# Altium PCB Face_InMain1V0.PcbDoc (part 1 of 2)
Units mm, origin at the board's own origin, x right, y up, seen from the top; angles counter-clockwise.
Board outline 95 x 77.8 mm, 2 copper layers (Top Layer, Bottom Layer), stack 0.8 mm thick; 173 components, 129 nets, 571 pads, 520 vias.
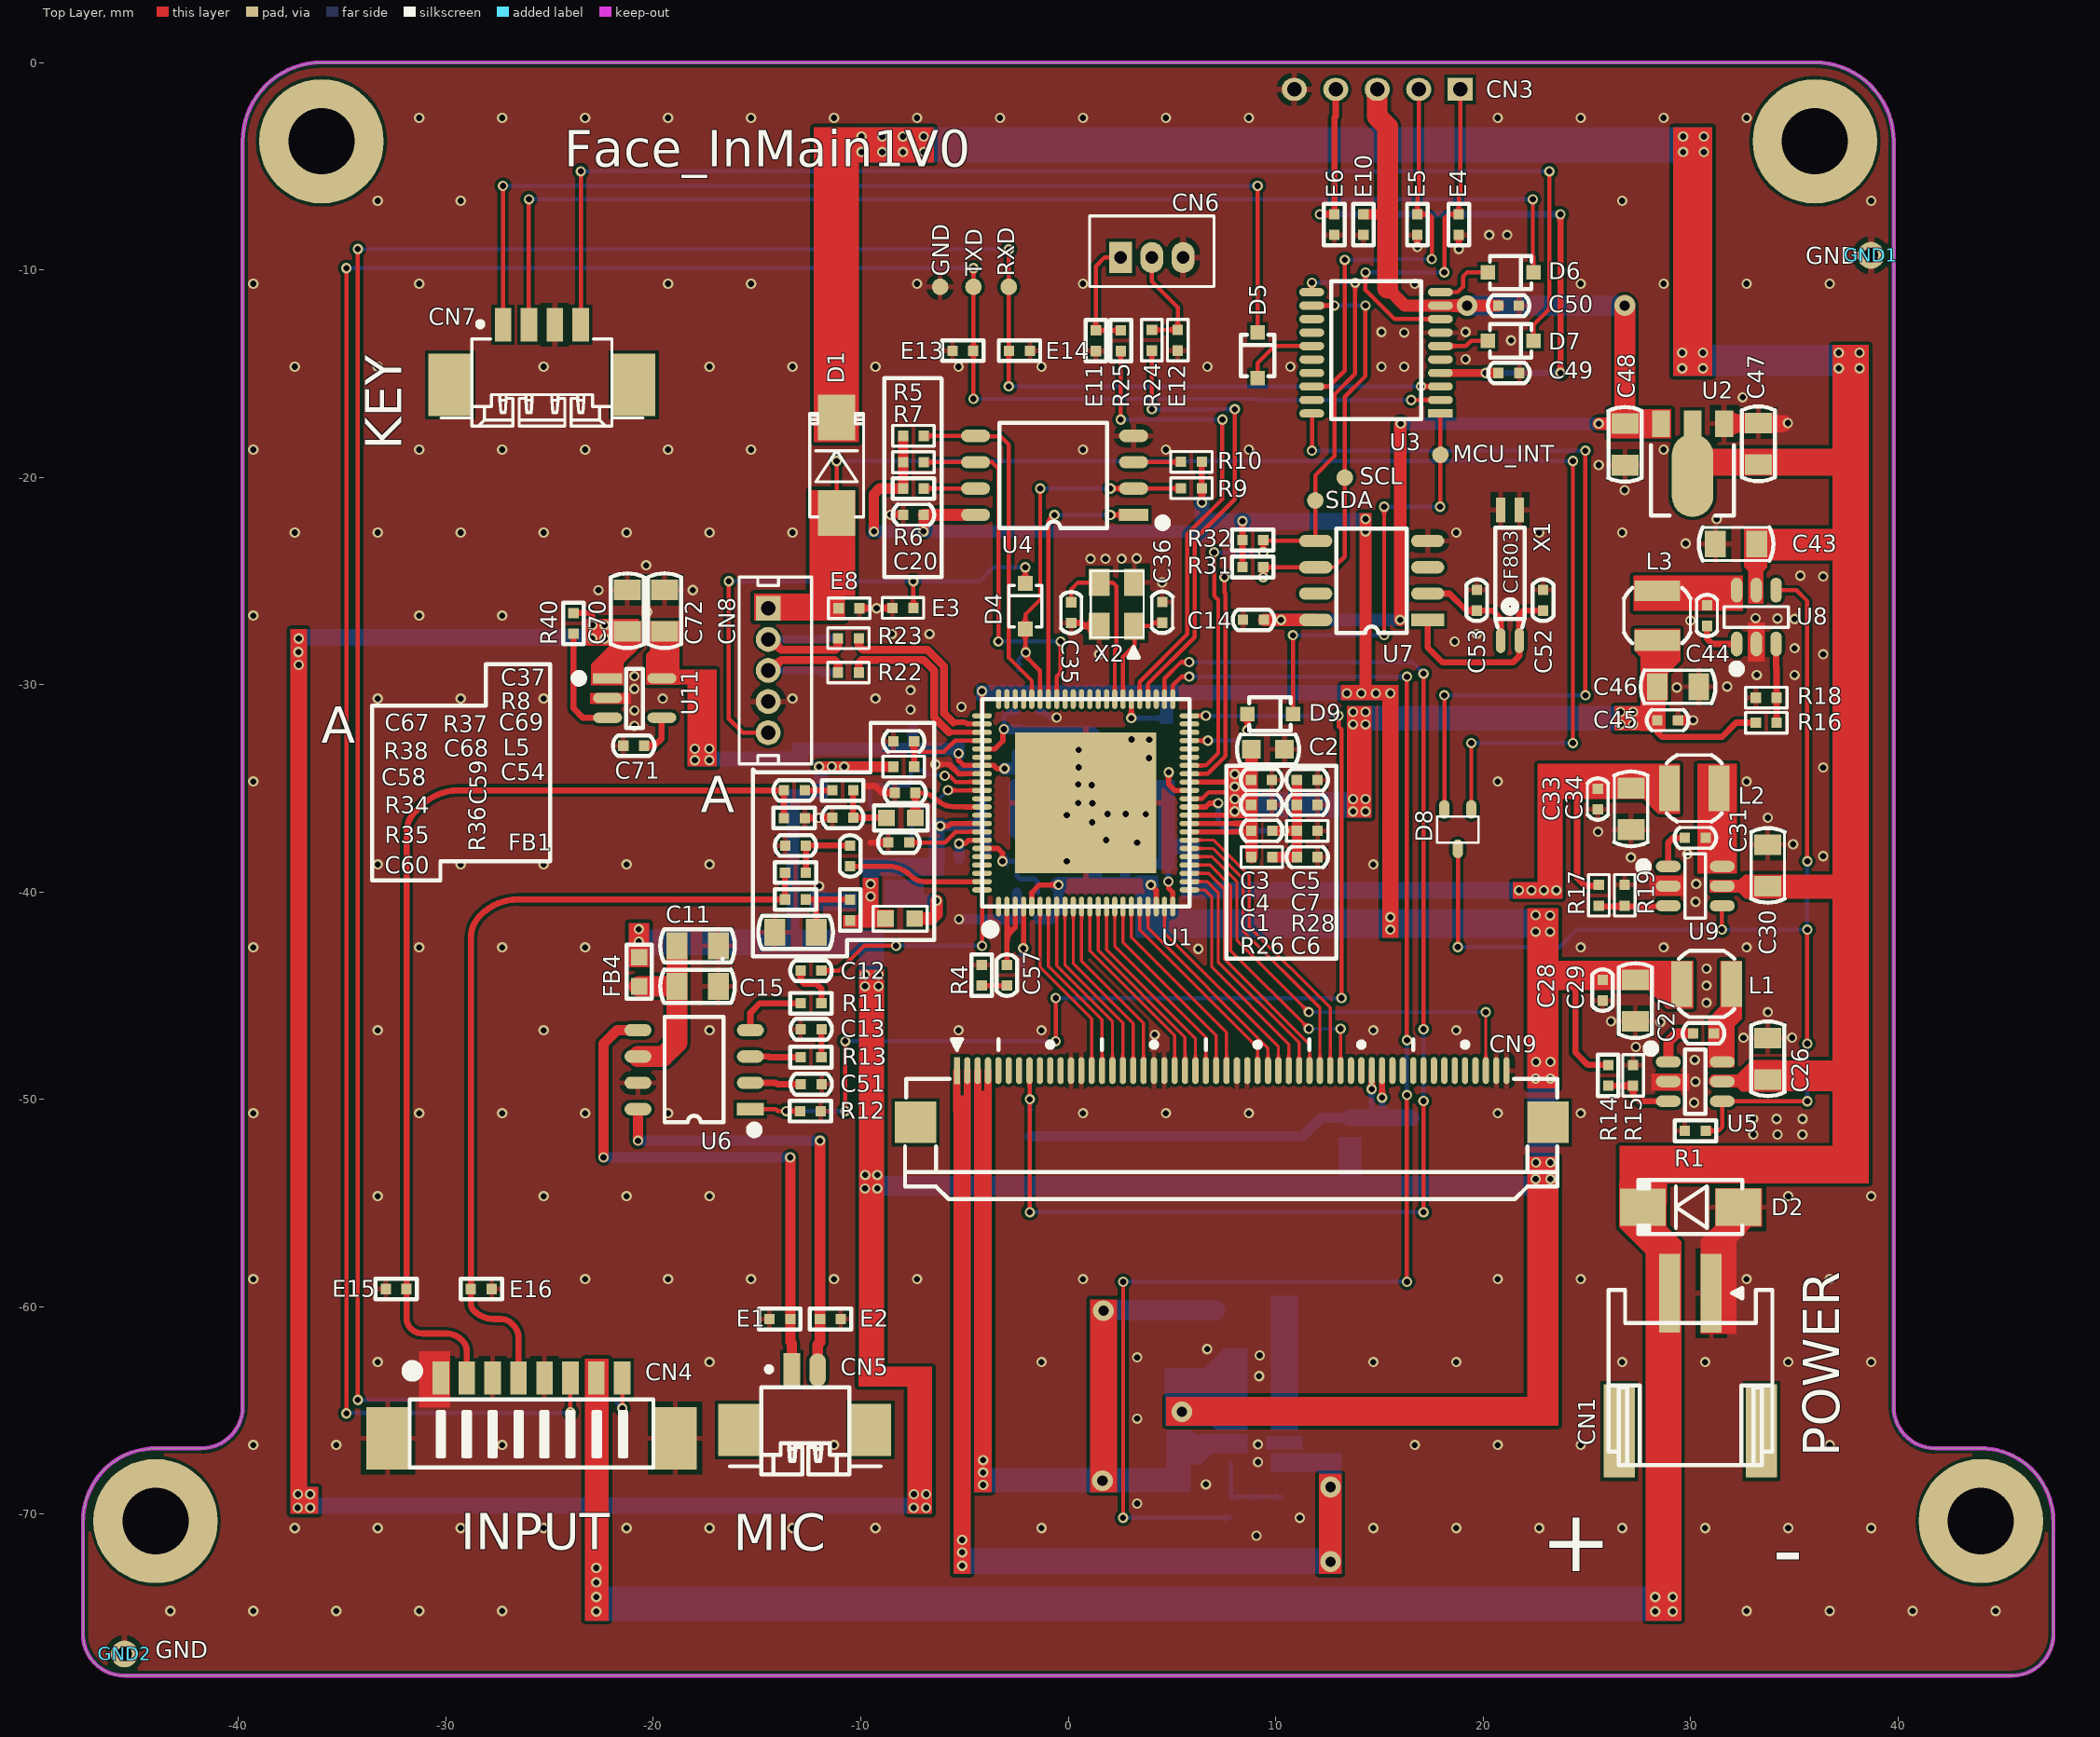
[diagram p0: Top Layer view]
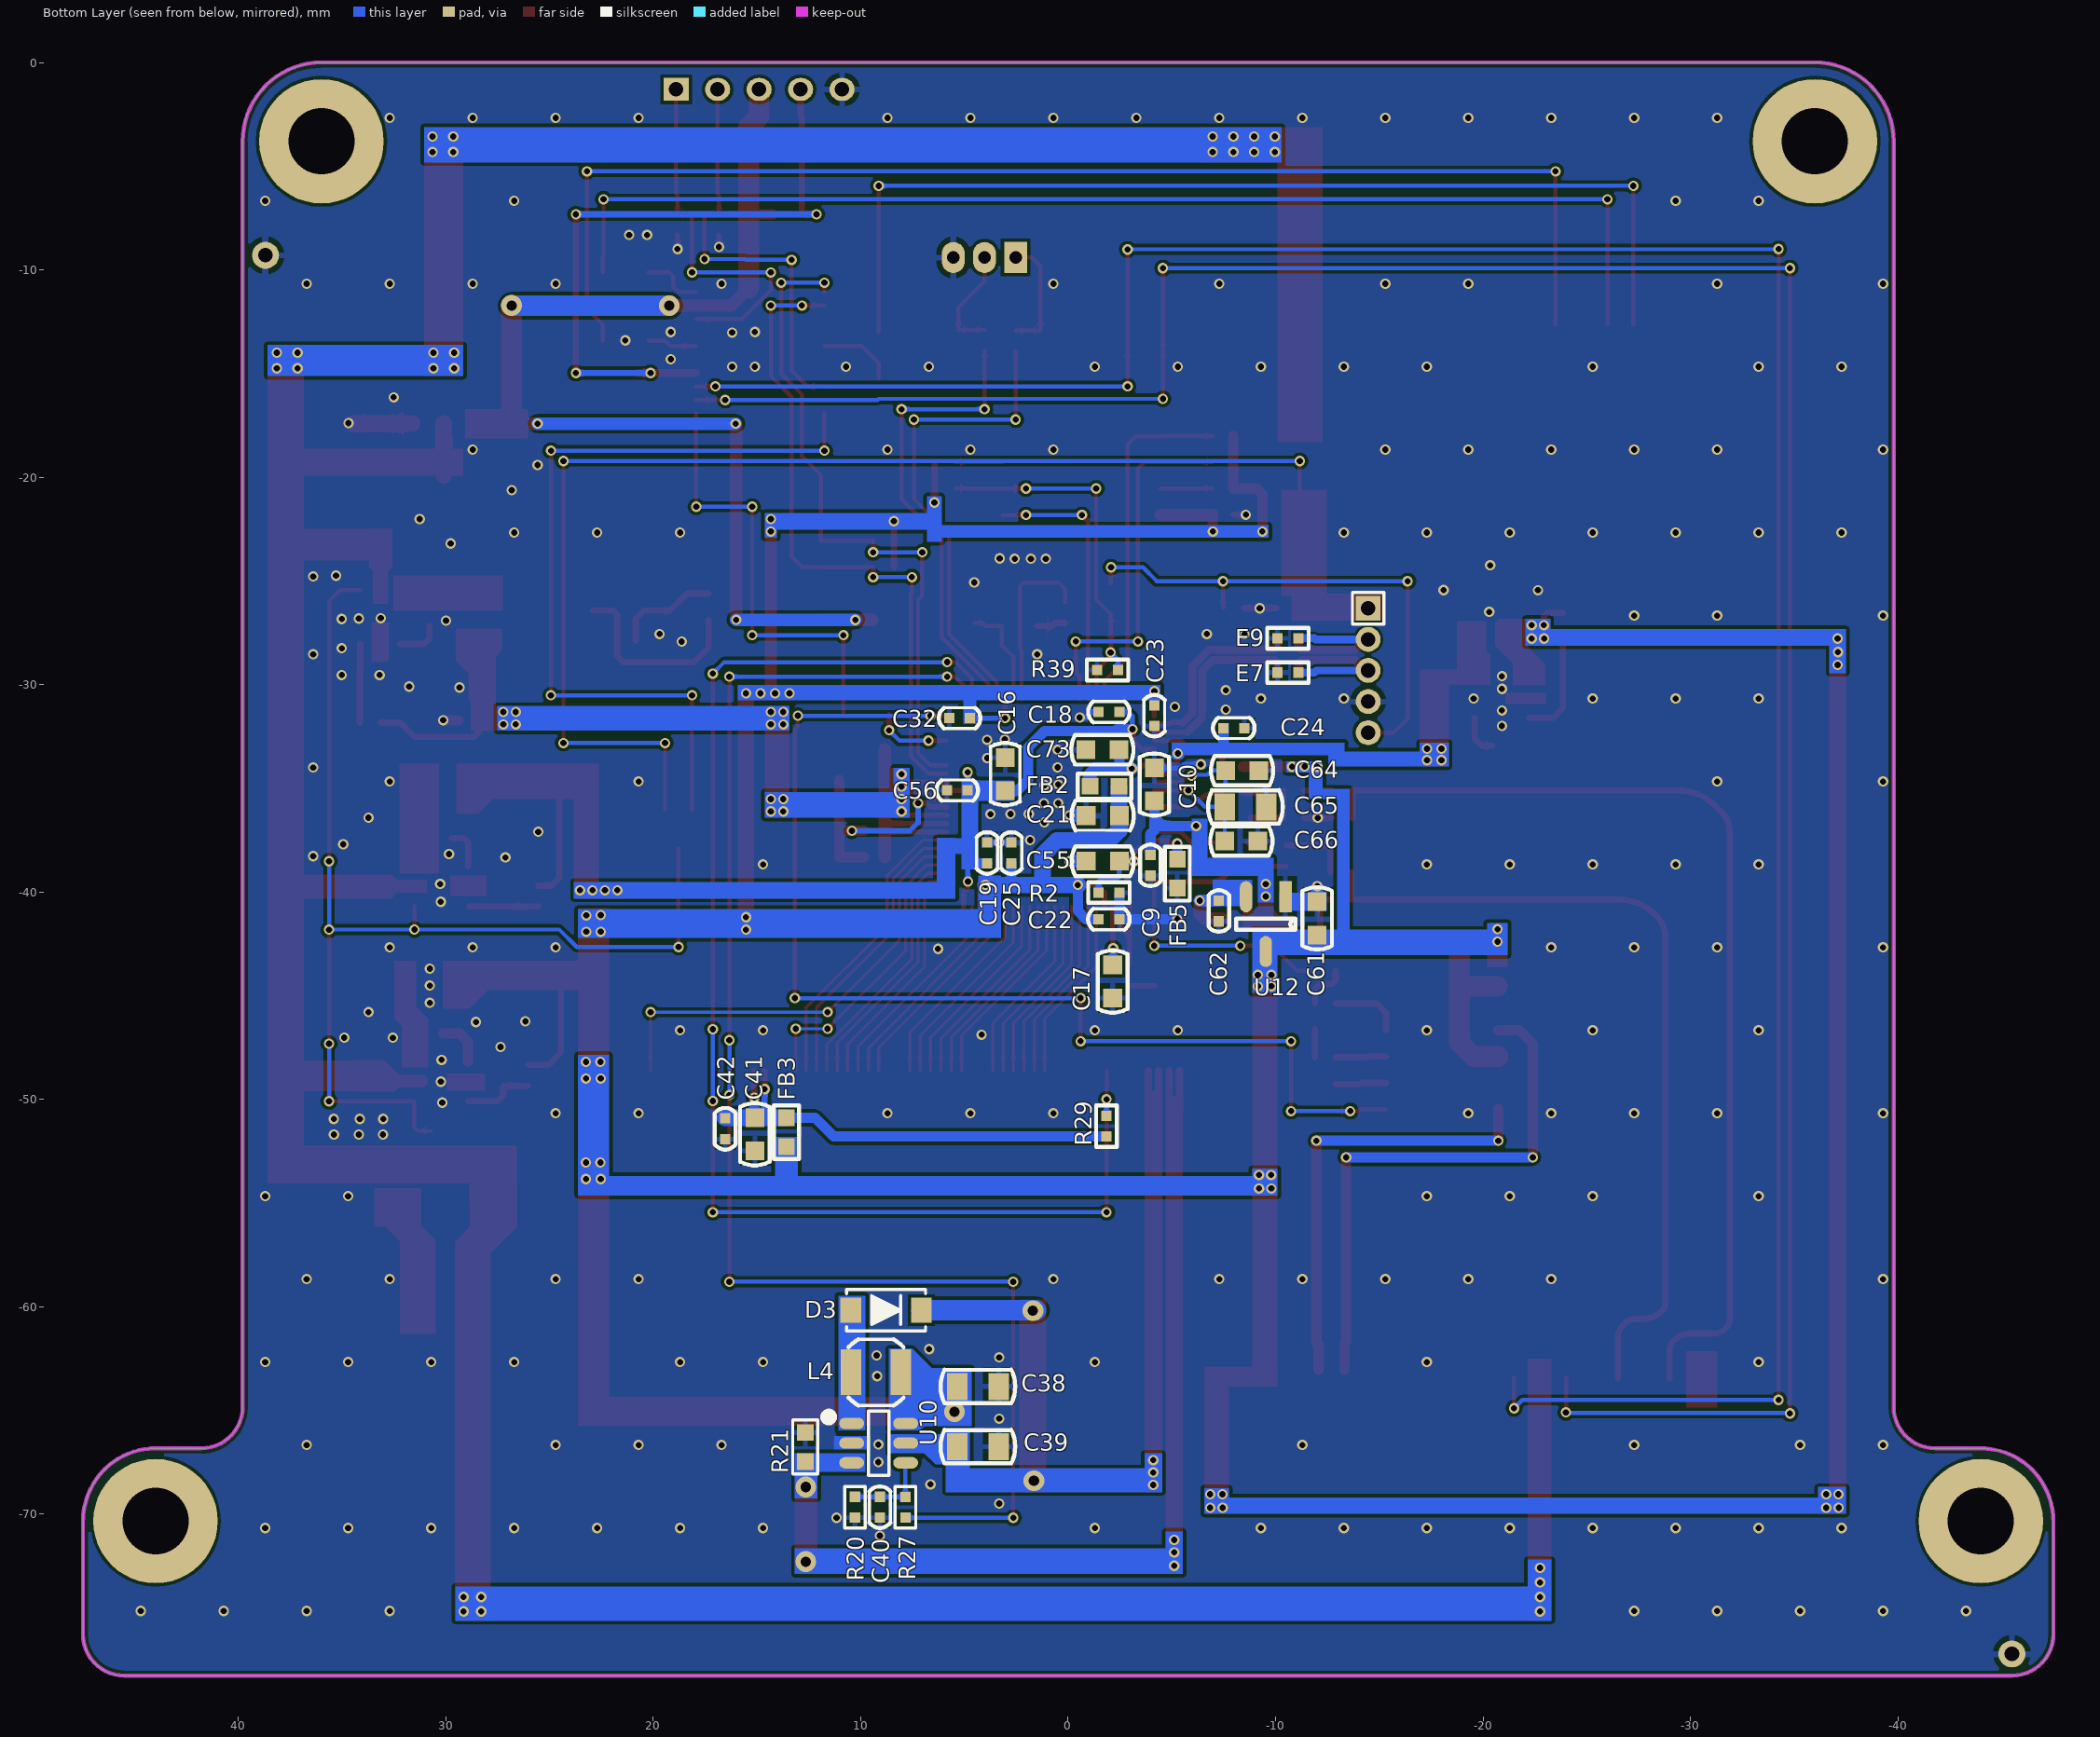
[diagram p1: Bottom Layer view, seen from below]
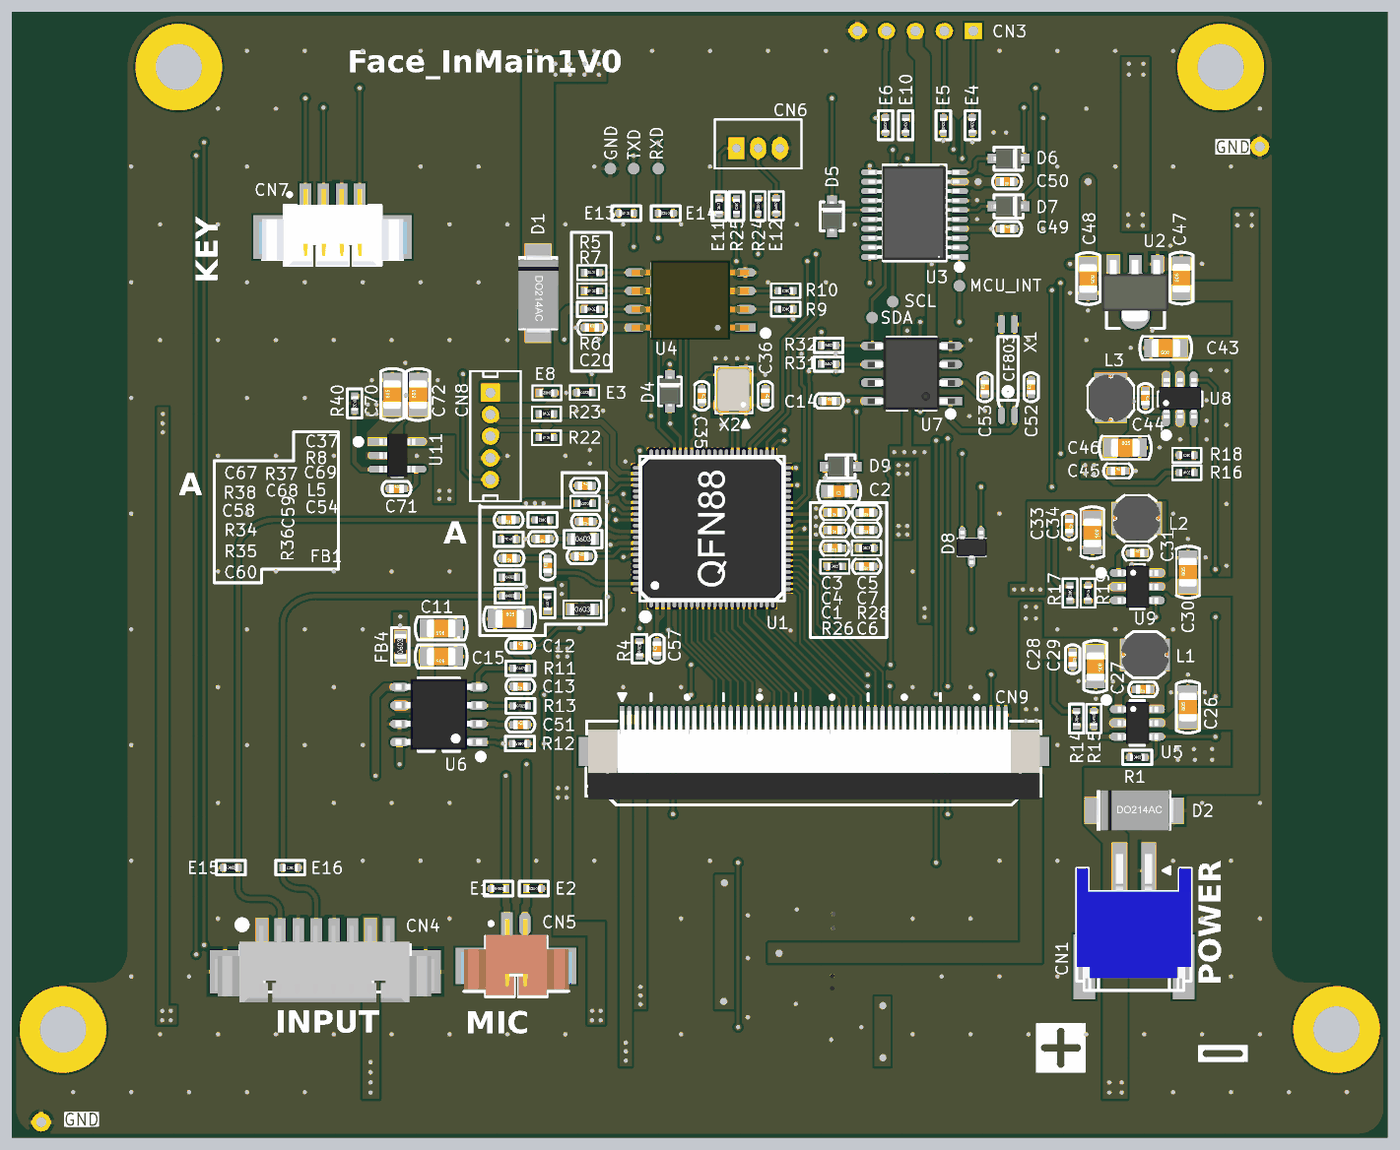
[diagram p3: 3D render of the assembled board from above, using the file's embedded part models]
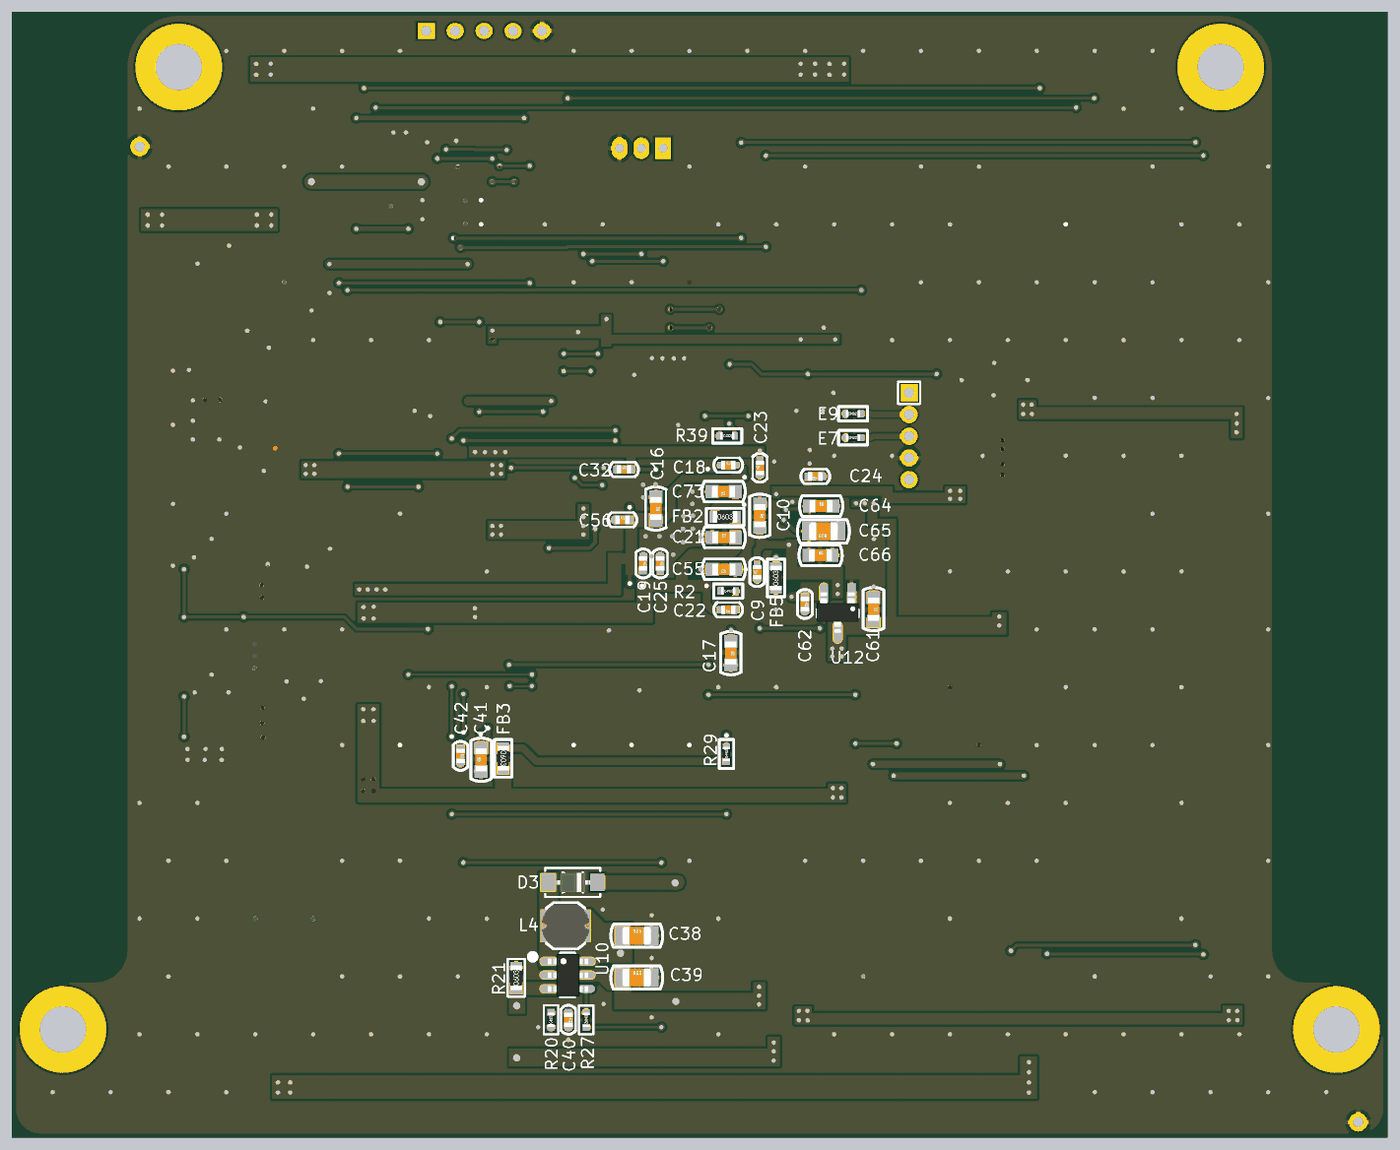
[diagram p4: 3D render of the assembled board from below, using the file's embedded part models]

## Layer stack, top to bottom
Top Solder: solder mask 0.1, Solder Resist, Dk 3.5
Top Layer: signal copper 0.2
Dielectric 1: dielectric 0.4, FR-4, Dk 4.8
Bottom Layer: signal copper 0.2
Bottom Solder: solder mask 0.1, Solder Resist, Dk 3.5

## Board outline
-47.501,-75.8 ccw(c-45.501,-75.8) -45.501,-77.8 45.499,-77.8 ccw(c45.499,-75.8) 47.499,-75.8 47.499,-70.346 ccw(c44.17,-70.346) 47.497,-70.247 ccw(c44.135,-70.347) 47.493,-70.148 ccw(c44.099,-70.349) 47.485,-70.044 ccw(c44.063,-70.353) 47.473,-69.935 ccw(c44.028,-70.357) 47.457,-69.821 ccw(c43.992,-70.362) 47.436,-69.696 ccw(c43.956,-70.369) 47.404,-69.551 ccw(c43.92,-70.378) 47.358,-69.375 ccw(c43.883,-70.389) 47.255,-69.073 ccw(c43.872,-70.393) 46.977,-68.51 ccw(c43.916,-70.367) 46.879,-68.357 ccw(c43.946,-70.347) 46.793,-68.235 ccw(c43.975,-70.325) 46.715,-68.135 ccw(c44.003,-70.303) 46.642,-68.046 ccw(c44.03,-70.28) 46.569,-67.963 ccw(c44.057,-70.256) 46.497,-67.887 ccw(c44.063,-70.25) 46.314,-67.712 ccw(c44.034,-70.282) 46.154,-67.579 ccw(c44.011,-70.312) 45.838,-67.358 ccw(c44.006,-70.319) 45.064,-67.002 ccw(c43.989,-70.368) 44.316,-66.849 ccw(c43.996,-70.304) 44.179,-66.839 ccw(c43.998,-70.268) 44.064,-66.835 ccw(c43.999,-70.239) 43.999,-66.835 41.799,-66.835 cw(c41.799,-64.835) 39.799,-64.835 39.799,-3.8 ccw(c35.999,-3.8) 35.999,0 -36.001,0 ccw(c-36.001,-3.8) -39.801,-3.8 -39.801,-64.835 cw(c-41.801,-64.835) -41.801,-66.835 -44.001,-66.835 ccw(c-44.001,-70.246) -44.111,-66.836 ccw(c-44,-70.283) -44.231,-66.842 ccw(c-43.998,-70.318) -44.384,-66.856 ccw(c-43.993,-70.356) -44.64,-66.894 ccw(c-43.991,-70.369) -45.192,-67.044 ccw(c-44.008,-70.321) -45.336,-67.1 ccw(c-44.009,-70.318) -46.259,-67.662 ccw(c-44.05,-70.266) -46.394,-67.783 ccw(c-44.068,-70.247) -46.597,-67.992 ccw(c-44.023,-70.288) -46.669,-68.075 ccw(c-43.996,-70.311) -46.745,-68.17 ccw(c-43.968,-70.333) -46.825,-68.275 ccw(c-43.938,-70.354) -46.915,-68.407 ccw(c-43.907,-70.375) -47.025,-68.586 ccw(c-43.876,-70.392) -47.393,-69.492 ccw(c-43.945,-70.372) -47.427,-69.642 ccw(c-43.981,-70.365) -47.452,-69.772 ccw(c-44.016,-70.359) -47.47,-69.891 ccw(c-44.052,-70.354) -47.483,-70.001 ccw(c-44.087,-70.351) -47.493,-70.105 ccw(c-44.122,-70.348) -47.498,-70.203 ccw(c-44.156,-70.346) -47.501,-70.297 -47.501,-70.346

## Design rules (kind name [scope] priority, off if disabled: settings)
Clearance "Differential Pairs" [InDifferentialPair('U') or InDifferentialPair('USB')] p1: gap=0.1 ignorepadtopadclearanceinfootprint=TRUE
Clearance [All] p2: gap=0.15 ignorepadtopadclearanceinfootprint=TRUE
DiffPairsRouting Diff_90ohm [All] p1: maxlimit=0.254 minlimit=0.1 mostfreqgap=0.1 toplayer_minwidth=0.25 toplayer_maxwidth=0.38 toplayer_prefwidth=0.38 bottomlayer_minwidth=0.25 bottomlayer_maxwidth=0.38 bottomlayer_prefwidth=0.38 maxuncoupledlength=12.7
DiffPairsRouting Diff_100ohm [InDifferentialPairClass('100ohm')] p2: maxlimit=0.15 minlimit=0.1 mostfreqgap=0.1 toplayer_minwidth=0.102 toplayer_maxwidth=0.3 toplayer_prefwidth=0.25 bottomlayer_minwidth=0.102 bottomlayer_maxwidth=0.3 bottomlayer_prefwidth=0.25 maxuncoupledlength=12.7
HoleSize [All] p1: absolutevalues=TRUE maxlimit=6 minlimit=0.025 maxpercent=80.000 minpercent=20.000
HoleToHoleClearance [All] p1: gap=0.2 allowstackedmicrovias=TRUE
MinimumSolderMaskSliver [All] p1: minsoldermaskwidth=0
PlaneClearance [All] p1: clearance=0.3
PolygonConnect [All] p1: thpad.connectstyle=Relief thpad.reliefconductorwidth=0.3 thpad.reliefentries=4 thpad.polygonreliefangle="90 Angle" thpad.airgapwidth=0.254 smdpad.connectstyle=Relief smdpad.reliefconductorwidth=0.254 smdpad.reliefentries=4 smdpad.polygonreliefangle="90 Angle" smdpad.airgapwidth=0.254 via.connectstyle=Direct via.reliefconductorwidth=0.3 via.reliefentries=4 via.polygonreliefangle="90 Angle" via.airgapwidth=0.3
RoomDefinition 02_Face_InMain1V0 [InComponentClass('02_Face_InMain1V0')] p1: confinementstyle=ConfineIn formatcopy=TRUE lockcomponents=FALSE outline -48.801,-78.757 49.699,-78.757 49.699,1.243 -48.801,1.243
RoutingVias [All] p1: holewidth=0.3 width=0.5 viastyle="Through Hole" minholewidth=0.3 minwidth=0.5 maxholewidth=1 maxwidth=2
SilkToSilkClearance [All] p1: silktosilkclearance=0
SilkToSolderMaskClearance [IsPad] p1: minsilkscreentomaskgap=0 clearancetoexposedcopper=TRUE
SolderMaskExpansion [All] p1: expansion=0.05 istentingtop=FALSE
UnRoutedNet [All] p1: checkbadconnections=TRUE
Width [All] p1: maxlimit=2 minlimit=0.102 preferedwidth=0.15 minimp=50.000000 maximp=50.000000 favimp=50.000000
22 further rules are at their usual default settings.

## Classes and differential pairs
differential pair class 90ohm: USB
differential pair U: +U_P -U_N
differential pair USB: +USB_P -USB_N

## Components (designator, comment, footprint, x,y, rotation, side; value= is the part's Value field where it differs from the comment)
C1 "100nF/16V" C0402 9.333,-37.051 r180 top value=100pF
C2 "4.7uF/16V" C0603 8.833,-33.121 r180 top
C3 "1uF/16V" C0402 9.32,-34.604 r180 top value=100pF
C4 "1uF/16V" C0402 9.32,-35.804 r180 top value=100pF
C5 "100nF/16V" C0402 11.52,-34.604 r180 top value=100pF
C6 "100nF/16V" C0402 11.523,-38.321 r180 top value=100pF
C7 "1uF/16V" C0402 11.52,-35.804 r180 top value=100pF
C9 "100nF/16V" C0402 -3.967,-38.721 r90 bottom value=100pF
C10 "4.7uF/16V" C0603 -4.155,-35.621 r270 bottom
C11 "10uF/16V" C0805 -17.869,-42.6 r180 top
C12 "100nF/16V" C0402 -12.4,-43.8 r0 top value=100pF
C13 "100nF/16V" C0402 -12.394,-46.621 r180 top value=100pF
C14 "100nF/16V" C0402 8.933,-26.881 r0 top value=100pF
C15 "10uF/16V" C0805 -17.869,-44.551 r180 top
C16 "4.7uF/16V" C0603 3.033,-35.121 r270 bottom
C17 "4.7uF/16V" C0603 -2.147,-45.121 r270 bottom value=100pF
C18 "100nF/16V" C0402 -1.967,-31.321 r180 bottom value=100pF
C19 "100nF/16V" C0402 3.908,-38.121 r270 bottom value=100pF
C20 "100nF/16V" C0402 -7.46,-21.811 r0 top value=100pF
C21 "4.7uF/16V" C0603 -2.467,-36.321 r180 bottom
C22 "100nF/16V" C0402 -1.966,-41.321 r0 bottom value=100pF
C23 "100nF/16V" C0402 -4.155,-31.504 r90 bottom value=100pF
C24 "100nF/16V" C0402 -7.988,-32.1 r0 bottom value=100pF
C25 "100nF/16V" C0402 2.733,-38.121 r270 bottom value=100pF
C26 "10uF/16V" C0805 33.733,-48.046 r90 top value=100pF
C27 "100nF/16V" C0402 30.633,-46.821 r180 top value=100pF
C28 "100nF/16V" C0402 25.764,-44.74 r270 top value=100pF
C29 "10uF/16V" C0805 27.344,-45.245 r270 top value=100pF
C30 "10uF/16V" C0805 33.733,-38.721 r90 top value=100pF
C31 "100nF/16V" C0402 30.233,-37.396 r0 top value=100pF
C32 "100nF/16V" C0402 5.233,-31.621 r180 bottom value=100pF
C33 "100nF/16V" C0402 25.533,-35.521 r270 top value=100pF
C34 "10uF/16V" C0805 27.133,-35.996 r270 top value=100pF
C35 "12pF/6.3V 1%" C0402 0.143,-26.529 r270 top value=100pF
C36 "12pF/6.3V 1%" C0402 4.533,-26.521 r270 top value=100pF
C37 "2.2uF/16V" C0402 -7.929,-32.735 r0 top value=100pF
C38 "10uF/16V" C0805 4.35,-63.85 r180 bottom value=100pF
C39 "1uF/50V" C0805 4.35,-66.75 r180 bottom value=100pF
C40 "1uF/16V" C0402 9.078,-69.67 r270 bottom
C41 "4.7uF/16V" C0603 15.106,-50.891 r90 bottom
C42 "100nF/16V" C0402 16.533,-51.422 r270 bottom
C43 "10uF/16V" C0805 32.202,-23.221 r180 top value=100pF
C44 "100nF/16V" C0402 30.797,-26.674 r270 top value=100pF
C45 "100nF/16V" C0402 28.902,-31.721 r0 top value=100pF
C46 "10uF/16V" C0805 29.402,-30.112 r0 top value=100pF
C47 "10uF/16V" C0805 33.279,-18.391 r90 top value=100pF
C48 "10uF/16V" C0805 26.843,-18.419 r270 top value=100pF
C49 "100nF/16V" C0402 21.246,-14.977 r0 top
C50 "100nF/16V" C0402 21.235,-11.727 r180 top
C51 "1uF/16V" C0402 -12.394,-49.273 r0 top
C52 "12pF/6.3V 1%" C0402 22.897,-25.938 r90 top value=100pF
C53 "12pF/6.3V 1%" C0402 19.699,-25.938 r90 top value=100pF
C54 "1uF/16V" C0402 -8.167,-37.621 r0 top value=100pF
C55 "4.7uF/16V" C0603 -0.867,-38.521 r0 bottom value=100pF
C56 "100nF/16V" C0402 5.345,-35.104 r180 bottom value=100pF
C57 "100nF/16V" C0402 -2.955,-44.018 r90 top value=100pF
C58 "1nF/16V" C0402 -13.145,-37.766 r180 top value=100pF
C59 "100nF/16V" C0402 -10.511,-38.266 r90 top value=100pF
C60 "10uF/16V" C0805 -13.144,-41.95 r0 top
C61 "4.7uF/16V" C0603 -12.009,-42.076 r270 bottom
C62 "100nF/16V" C0402 -7.267,-40.921 r270 bottom
C64 "4.7uF/16V" C0603 -9.19,-34.15 r180 bottom value=100pF
C65 "10uF/16V" C0805 -8.55,-35.9 r0 bottom value=100pF
C66 "4.7uF/16V" C0603 -9.15,-37.55 r180 bottom value=100pF
C67 "100nF/16V" C0402 -13.204,-35.104 r180 top value=100pF
C68 "22pF/16V" C0402 -10.867,-36.421 r180 top value=100pF
C69 "47pF/16V" C0402 -7.867,-35.221 r180 top value=100pF
C70 "10uF/16V" C0805 -21.25,-26.438 r90 top value=100pF
C71 "22nF/16V" C0402 -20.95,-32.95 r0 top value=100pF
C72 "10uF/16V" C0805 -19.459,-26.438 r90 top value=100pF
C73 "4.7uF/16V" C0603 -0.85,-33.15 r0 bottom value=100pF
CN1 "PHB2.0 2P SMD SIDE" PH2.0_2P_SMD_SIDE 30,-62.3 r270 top locked
CN3 "NC/PH2.0-5P-DIP-180" HD2.0_5P 18.9,-1.3 r180 top
CN4 "SH1.25 8P SMD SIDE" SH1.25_8P_SMD_SIDE -30.25,-63.45 r0 top locked
CN5 "SH1.25 2P SMD SIDE" SH1.25_2P_SMD_SIDE -12.704,-64.5 r90 top locked
CN6 "NC/ZH1.5 3P" HD1.5_3P 2.534,-9.408 r0 top
CN7 "SH1.25-4P-SMD-TOP" SH1.25_4P_SMd_SIDE -29.8,-15.55 r0 top locked
CN8 "NC/ZH1.5-5P" HD5_1.5 -14.467,-26.321 r270 top
CN9 "FPC 0.5mm 54p Bottom" FPC54_0.5_BOTTOM_Clamshell-1 7.884,-49.866 r180 top locked
D1 "M1 (DO-214AC)" DO-214AC -11.167,-19.421 r270 top
D2 "M1 (DO-214AC)" DO-214AC 30,-55.2 r0 top
D3 "DSS14" SOD-123FL 8.778,-60.171 r180 bottom
D4 "1N4148WS" SOD-323 -2.067,-26.221 r90 top
D5 "1N4148WS" SOD-323 9.133,-14.126 r90 top
D6 "1N4148WS" SOD-323 21.333,-10.126 r0 top
D7 "1N4148WS" SOD-323 21.333,-13.426 r0 top
D8 "BAT54CW-7-F (SOT-323)" sot323 19.434,-36.021 r180 top
D9 "1N4148WS" SOD-323 9.733,-31.421 r0 top
E1 "SFI0402-050E330NP-LF" R0402 -13.9,-60.6 r0 top
E2 "SFI0402-050E330NP-LF" R0402 -11.467,-60.6 r180 top
E3 "SFI0402-050E330NP-LF" R0402 -7.966,-26.305 r0 top
E4 "SFI0402-050E330NP-LF" R0402 18.833,-7.821 r90 top
E5 "SFI0402-050E330NP-LF" R0402 16.833,-7.821 r90 top
E6 "SFI0402-050E330NP-LF" R0402 12.833,-7.821 r90 top
E7 "SLESDL0402-24" R0402 -10.597,-29.421 r180 bottom
E8 "SFI0402-050E330NP-LF" R0402 -10.567,-26.321 r180 top
E9 "SLESDL0402-24" R0402 -10.597,-27.767 r180 bottom
E10 "SFI0402-050E330NP-LF" R0402 14.233,-7.821 r90 top
E11 "NC/SFI0402-050E330NP-LF" R0402 1.333,-13.421 r90 top
E12 "NC/SFI0402-050E330NP-LF" R0402 5.282,-13.396 r90 top